# Altium PCB BaseBoard.PcbDoc (part 1 of 2)
Units mm, origin at the board's own origin, x right, y up, seen from the top; angles counter-clockwise.
Board outline 100 x 99.75 mm, 2 copper layers (Top Layer, Bottom Layer), stack 1.57 mm thick; 86 components, 105 nets, 319 pads, 782 vias.
Unrouted connection lines stored in the file: 3.
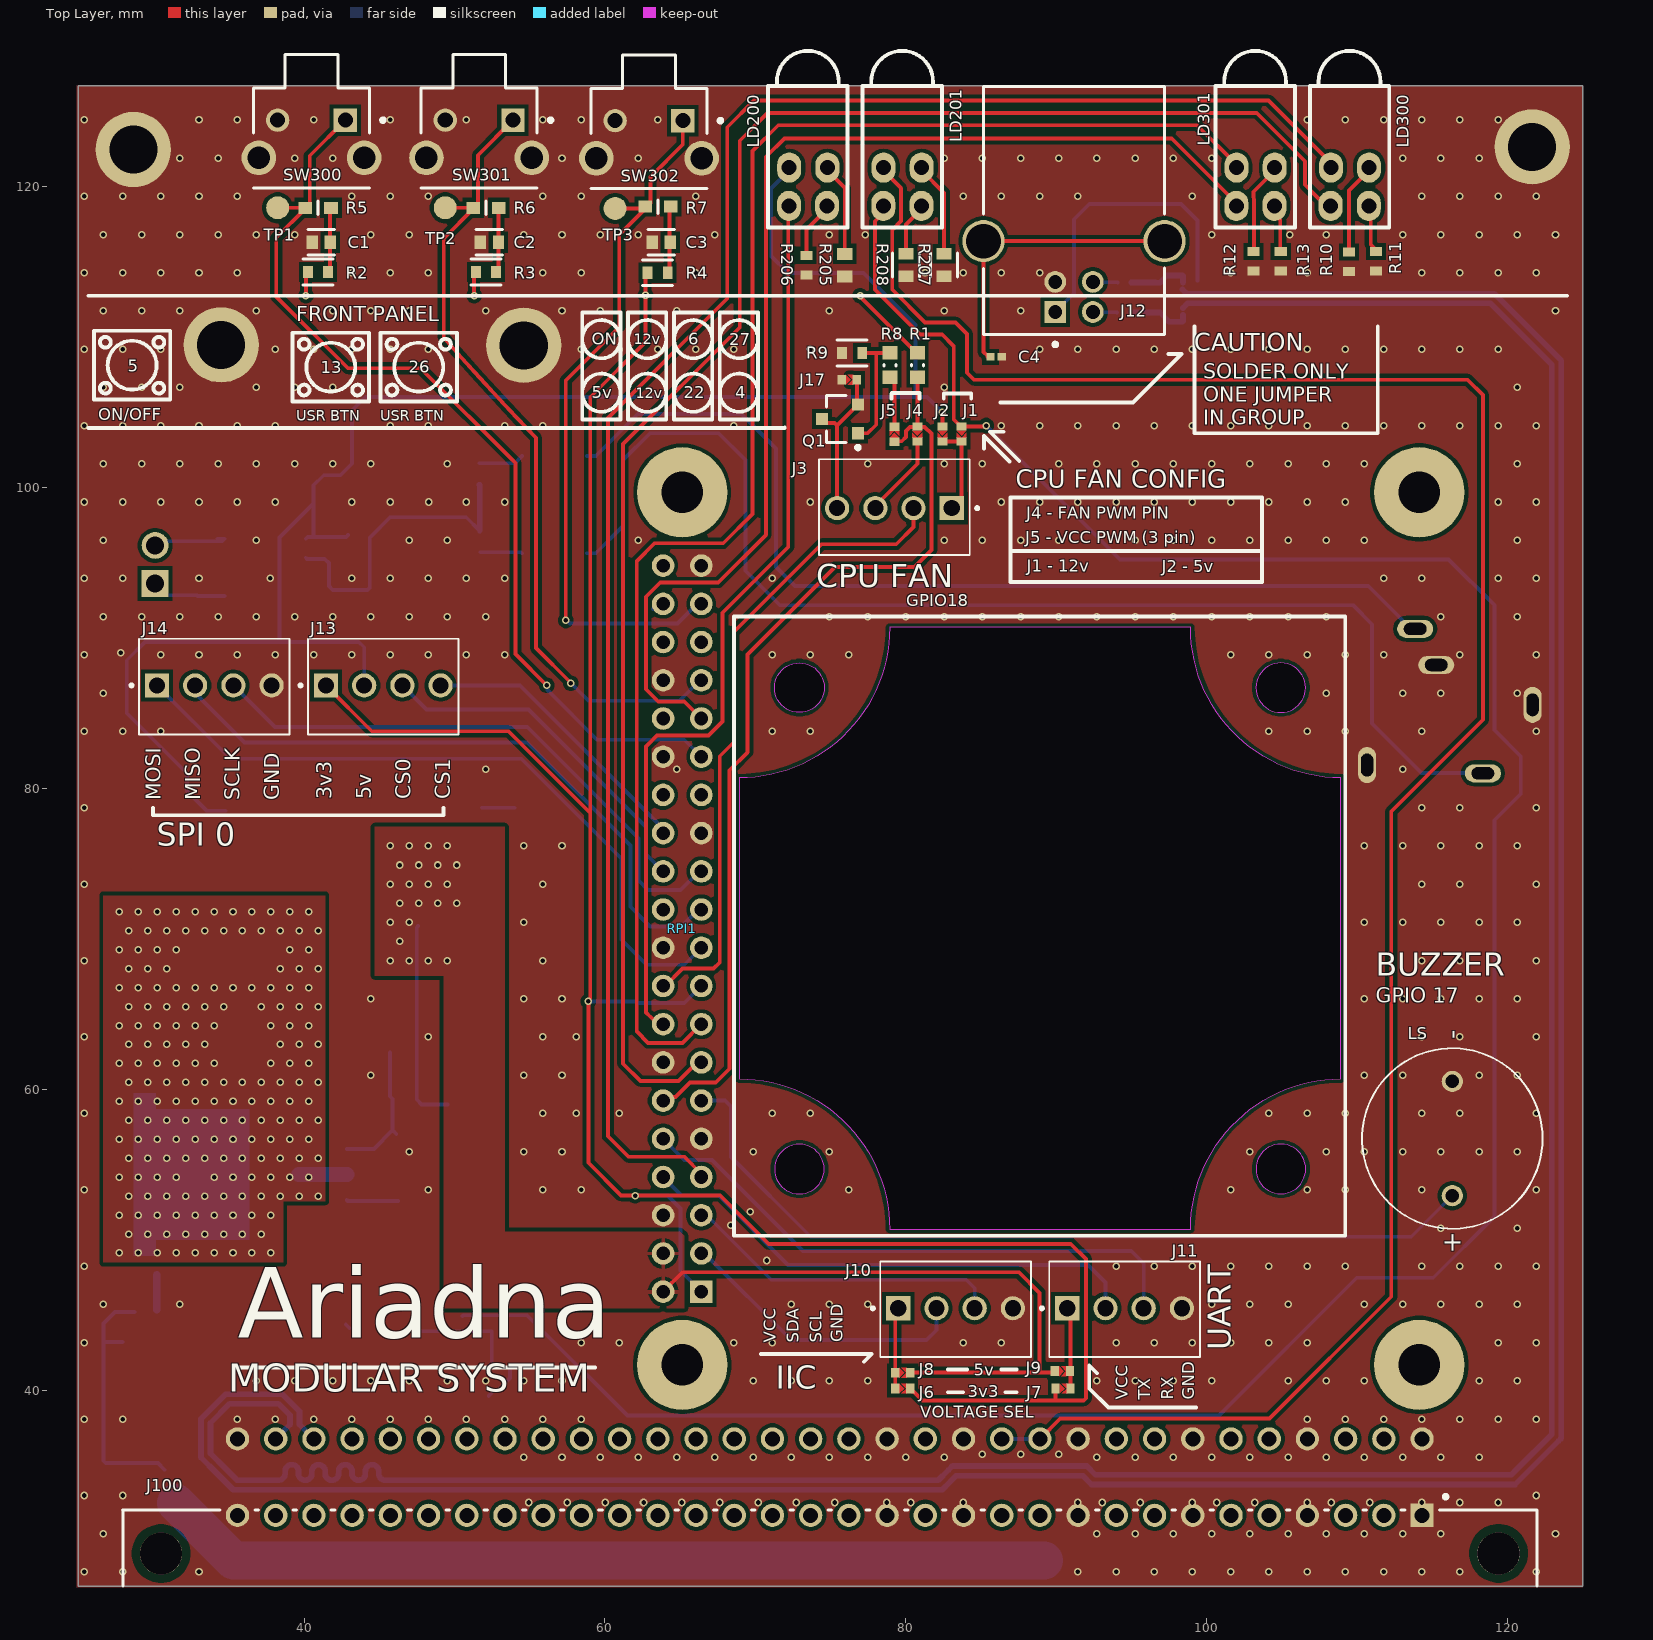
[diagram p0: Top Layer view]
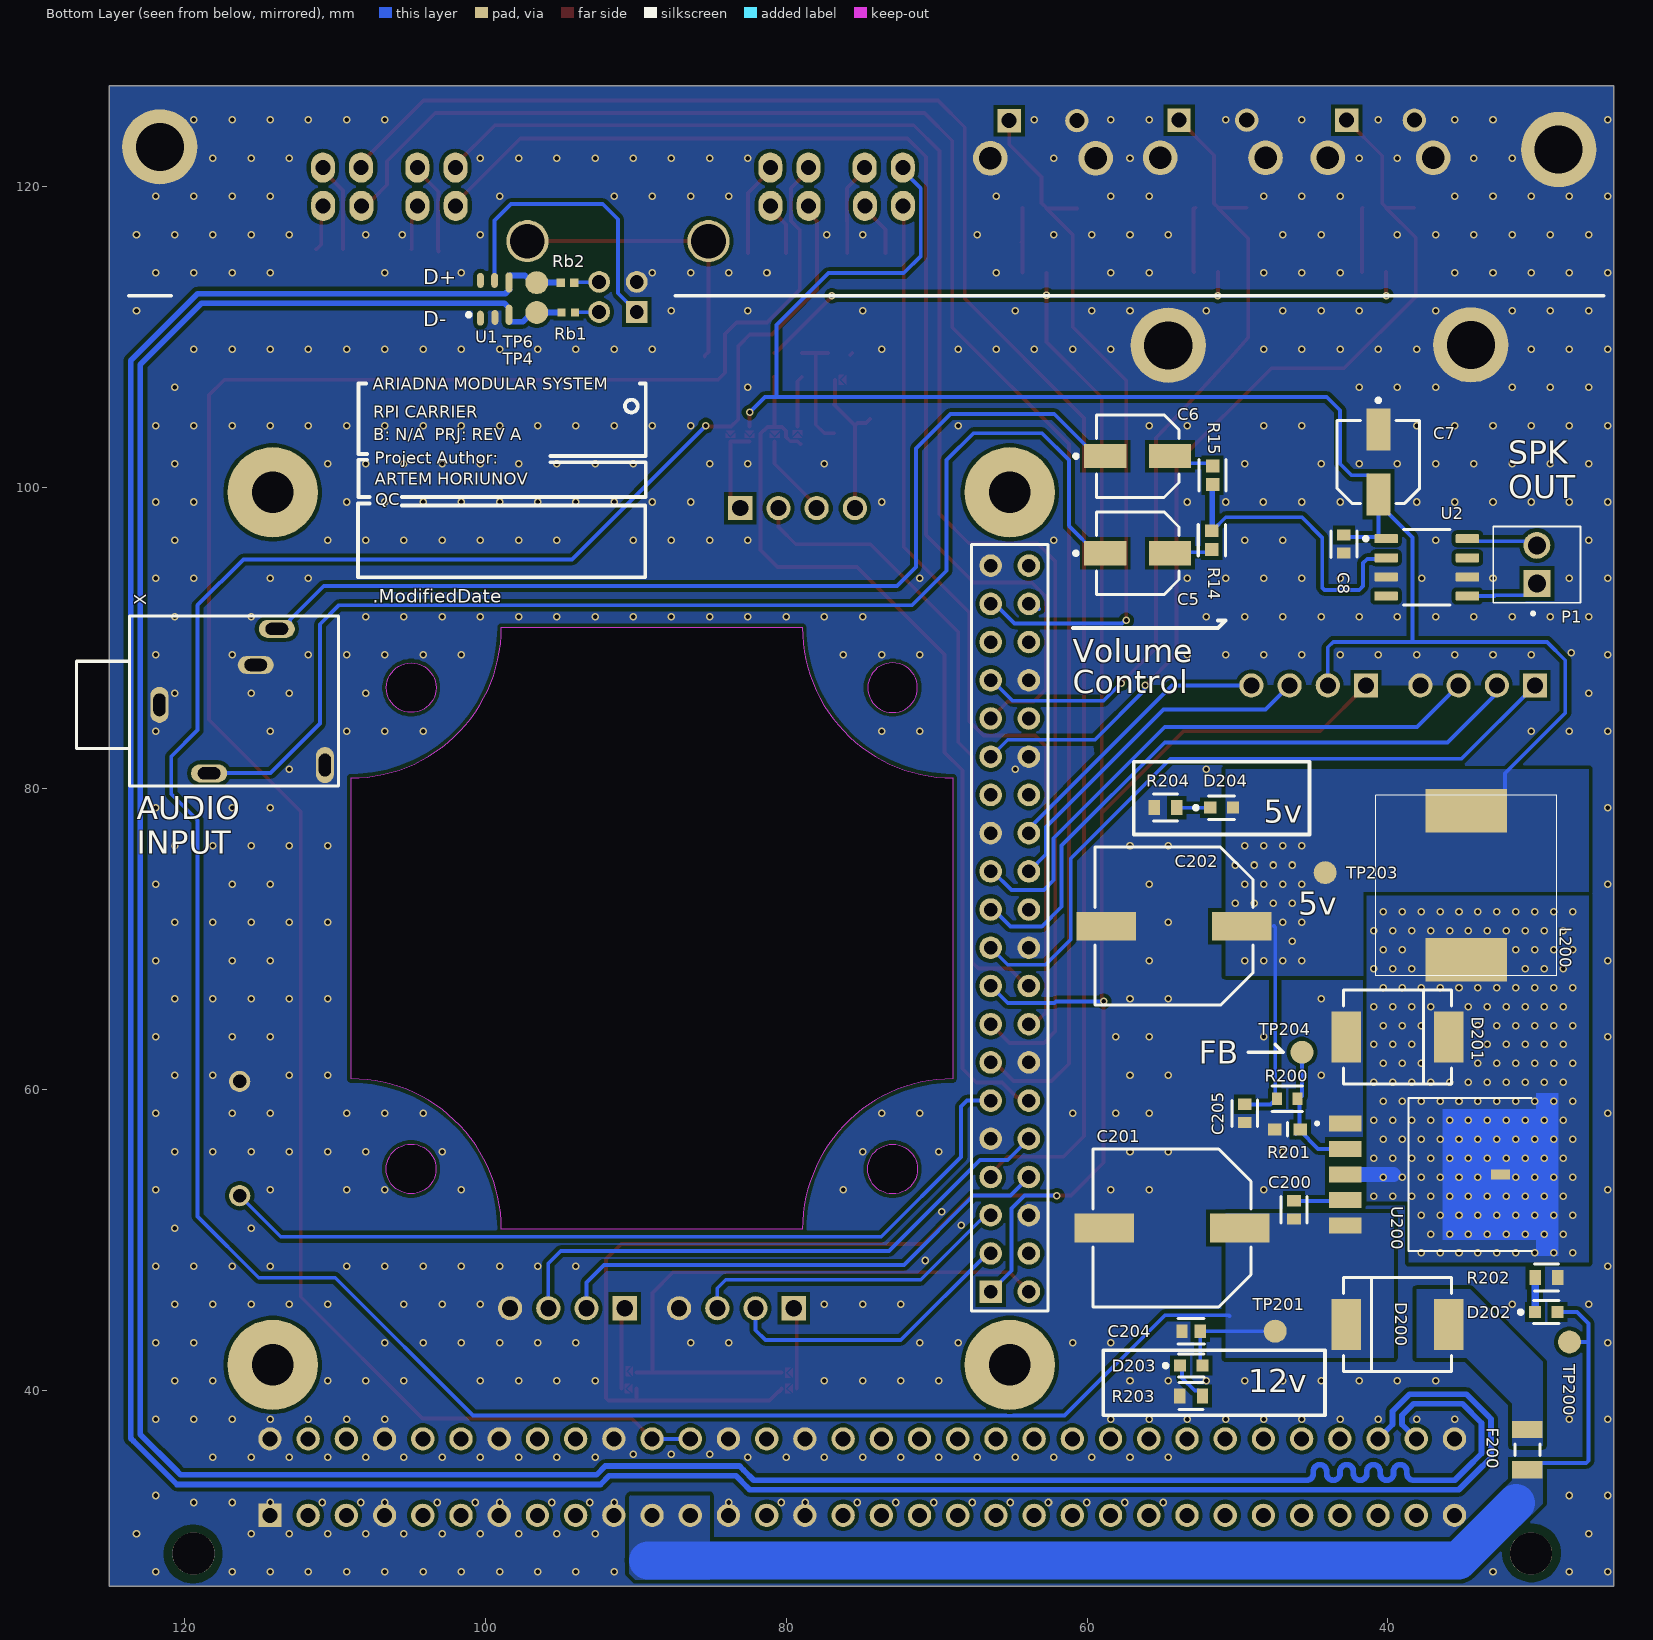
[diagram p1: Bottom Layer view, seen from below]

## Layer stack, top to bottom
Top Solder: solder mask 0.0127, Solder Resist, Dk 3.8
Top Layer: signal copper 0.035
Dielectric: core 1.5, FR-4, Dk 4.5
Bottom Layer: signal copper 0.035
Bottom Solder: solder mask 0.0127, Solder Resist, Dk 3.8

## Board outline
25,27 125,27 125,126.746 25,126.746
cut-out: 68.931,60.719 cw(c68.931,50.719) 78.931,50.719 98.931,50.719 cw(c108.931,50.719) 108.931,60.719 108.931,80.719 cw(c108.931,90.719) 98.931,90.719 78.931,90.719 cw(c68.931,90.719) 68.931,80.719
cut-out: 103.281,86.719 ccw(c104.931,86.719) 104.931,85.069 ccw(c104.931,86.719) 106.581,86.719 ccw(c104.931,86.719) 104.931,88.369 ccw(c104.931,86.719)
cut-out: 103.287,54.725 ccw(c104.937,54.725) 104.937,53.075 ccw(c104.937,54.725) 106.587,54.725 ccw(c104.937,54.725) 104.937,56.375 ccw(c104.937,54.725)
cut-out: 72.931,53.069 ccw(c72.931,54.719) 74.581,54.719 ccw(c72.931,54.719) 72.931,56.369 ccw(c72.931,54.719) 71.281,54.719 ccw(c72.931,54.719)
cut-out: 72.931,85.069 cw(c72.931,86.719) 71.281,86.719 cw(c72.931,86.719) 72.931,88.369 cw(c72.931,86.719) 74.581,86.719 cw(c72.931,86.719)

## Design rules (kind name [scope] priority, off if disabled: settings)
Clearance [All] p1: gap=0.254 ignorepadtopadclearanceinfootprint=TRUE except(0: Arc-Hole Track-Hole SMDPad-Hole THPad-Hole Via-Hole Fill-Hole Poly-Hole Region-Hole Text-Hole; 0.127: Arc-Arc Arc-Track Track-Track SMDPad-SMDPad; 0.2: Arc-SMDPad Track-SMDPad; 0.5: THPad-THPad)
DiffPairsRouting DiffPair_DiffPairsRouting [InDifferentialPair ('CARRIER_USB_OUT')] p1: maxlimit=0.254 minlimit=0.254 mostfreqgap=0.254 toplayer_minwidth=0.381 toplayer_maxwidth=0.381 toplayer_prefwidth=0.381 bottomlayer_minwidth=0.381 bottomlayer_maxwidth=0.381 bottomlayer_prefwidth=0.381 maxuncoupledlength=12.7
DiffPairsRouting USB [All] p2: maxlimit=0.127 minlimit=0.127 mostfreqgap=0.127 toplayer_minwidth=0.254 toplayer_maxwidth=0.254 toplayer_prefwidth=0.254 bottomlayer_minwidth=0.254 bottomlayer_maxwidth=0.254 bottomlayer_prefwidth=0.254 impedanceprofiledriven=TRUE impedanceprofileid={A3A20433-27DA-4A27-A633-E8CD176897E9} impedanceprofilevalue=90.000000 maxuncoupledlength=12.7
DiffPairsRouting can [All] p3: maxlimit=0.127 minlimit=0.127 mostfreqgap=0.127 toplayer_minwidth=0.123 toplayer_maxwidth=0.123 toplayer_prefwidth=0.123 bottomlayer_minwidth=0.123 bottomlayer_maxwidth=0.123 bottomlayer_prefwidth=0.123 impedanceprofiledriven=TRUE impedanceprofileid={72E4DA9E-D76B-4837-9838-5D01895E3687} impedanceprofilevalue=120.000000 maxuncoupledlength=12.7
HoleSize [All] p1: absolutevalues=TRUE maxlimit=6.3 minlimit=0.3 maxpercent=80.000 minpercent=20.000
MatchedLengths DiffPair_MatchedLengths [InDifferentialPair ('CARRIER_USB_OUT')] p1: tolerance=25.4 checknetsindiffpair=FALSE checkdiffpairvsdiffpair=TRUE checkxsignals=TRUE checkothers=TRUE
MinimumSolderMaskSliver [All] p1: minsoldermaskwidth=0.127
PolygonConnect 5v [InNet('+5') vs InNet('+5')] p1: connectstyle=Direct reliefconductorwidth=0.254 reliefentries=4 polygonreliefangle="90 Angle" airgapwidth=0.254
PolygonConnect 12v [InNet('12V_UNPROTECTED') vs InNet('12V_UNPROTECTED')] p2: connectstyle=Direct reliefconductorwidth=0.254 reliefentries=4 polygonreliefangle="90 Angle" airgapwidth=0.254
PolygonConnect GND_polygon [InNet('GND')] p3: connectstyle=Direct reliefconductorwidth=0.254 reliefentries=4 polygonreliefangle="90 Angle" airgapwidth=0.254
PolygonConnect "STM32-no releaf" [HasFootprint('STM-LQFP64_M')] p4: connectstyle=Direct reliefconductorwidth=0.254 reliefentries=4 polygonreliefangle="90 Angle" airgapwidth=0.254
PolygonConnect [All] p5: thpad.connectstyle=Relief thpad.reliefconductorwidth=0.254 thpad.reliefentries=4 thpad.polygonreliefangle="90 Angle" thpad.airgapwidth=0.254 smdpad.connectstyle=Direct smdpad.reliefconductorwidth=0.254 smdpad.reliefentries=4 smdpad.polygonreliefangle="90 Angle" smdpad.airgapwidth=0.254 via.connectstyle=Direct via.reliefconductorwidth=0.254 via.reliefentries=4 via.polygonreliefangle="90 Angle" via.airgapwidth=0.254
RoutingVias [All] p1: holewidth=0.3 width=0.5 viastyle="Through Hole" minholewidth=0.3 minwidth=0.5 maxholewidth=0.5 maxwidth=0.7
SilkToSilkClearance [All] p1: silktosilkclearance=0.001
SilkToSolderMaskClearance [IsPad] p1: minsilkscreentomaskgap=0.1 clearancetoexposedcopper=TRUE
SolderMaskExpansion SolderMaskExpansion_Vias [IsVia] p1: expansion=0.102 istentingtop=TRUE
SolderMaskExpansion [All] p2: expansion=0.102 istentingtop=FALSE
SupplyNets "Schematic Supply Nets_6" [InNet('+12')] p1: voltage=0.000
SupplyNets "Schematic Supply Nets_5" [InNet('3,3V')] p2: voltage=0.000
SupplyNets "Schematic Supply Nets_3" [InNet('24V_UNPROTECTED')] p3: voltage=0.000
SupplyNets "Schematic Supply Nets_2" [InNet('12V_UNPROTECTED')] p4: voltage=0.000
SupplyNets "Schematic Supply Nets_1" [InNet('5V')] p5: voltage=0.000
SupplyNets "Schematic Supply Nets" [InNet('GND')] p6: voltage=0.000
Width [All] p1: maxlimit=2.54 minlimit=0.254 preferedwidth=0.5 minimp=50.000000 maximp=50.000000 favimp=50.000000
25 further rules are at their usual default settings.

## Classes and differential pairs
differential pair class USB: CARRIER_USB_OUT UPin_IN
component class U_power: C1 C2 C3 C4 C5 C6 C7 C8 g J1 J2 J3 J4 J5 J6 J7 J8 J9 J10 J11 J12 J13 J14 J17 LD1 LD2 LD300 LD301 LS P1 Q1 R1 R2 R3 R4 R5 R6 R7 R8 R9 R10 R11 R12 R13 R14 R15 Rb1 Rb2 RPI1 SW300 SW301 SW302 TP1 TP2 TP3 TP4 TP6 U1 U2 X
component class main: J100
differential pair UPin_IN: +UPin_IN_P -UPin_IN_N
differential pair CARRIER_USB_OUT: +CARRIER_USB_OUT_P -CARRIER_USB_OUT_N
differential pair CAN3: +CAN3_P -CAN3_N
differential pair CAN2: +CAN2_P -CAN2_N
differential pair CAN1: +CAN1_P -CAN1_N

## Components (designator, comment, footprint, x,y, rotation, side; value= is the part's Value field where it differs from the comment)
C1 "100n" FP-C0603C-CF-MFG 41.148,116.332 r180 top value="0.10 μF"
C2 "100n" FP-C0603C-CF-MFG 52.324,116.332 r180 top value="0.10 μF"
C3 "100n" FP-C0603C-CF-MFG 63.754,116.332 r180 top value="0.10 μF"
C4 "Capacitor 10 pF +/- 0.25 pF 50 V 0402" CAPC1005X55X30LL05T10 86.014,108.712 r180 top value=10pF
C5 "10uF" FP-SC-MFG 56.642,95.654 r180 bottom
C6 "10uF" FP-SC-MFG 56.642,102.108 r180 bottom
C7 "10uF" FP-SC-MFG 40.64,101.72 r270 bottom
C8 "100n" FP-C0603C-CF-MFG 42.926,96.266 r270 bottom value="0.10 μF"
C200 "100n" FP-C0603C-CF-MFG 46.248,52.006 r90 bottom value="0.10 μF"
C201 "330uF 35v" PNSC-EEE-FK1V331P_L 54.356,50.8 r0 bottom
C202 "330uF 35v" PNSC-EEE-FK1V331P_L 54.227,70.866 r0 bottom
C204 "100n" FP-C0603C-CF-MFG 53.086,43.942 r0 bottom value="0.10 μF"
C205 "100n" FP-C0603C-CF-MFG 49.53,58.42 r270 bottom value="0.10 μF"
D200 "SS32" FP-403AG-MFG 39.37,44.39 r180 bottom
D201 "SS32" FP-403AG-MFG 39.37,63.5 r0 bottom
D202 "Green LED" FP-HSME-C191-MFG 29.488,45.212 r180 bottom
D203 "Green LED" FP-HSME-C191-MFG 53.086,41.656 r180 bottom
D204 "Green LED" FP-HSME-C191-MFG 51.066,78.74 r180 bottom
F200 "6A" FP-0466-MFG 30.734,36.068 r90 bottom
J1 "JUMPER" JUMPER 83.711,103.632 r180 top
J2 "JUMPER" JUMPER 82.441,103.632 r180 top
J3 "22232041" MOLEX_22232041 79.248,98.651 r180 top
J4 "JUMPER" JUMPER 80.772,103.632 r180 top
J5 "JUMPER" JUMPER 79.248,103.515 r0 top
J6 "JUMPER" JUMPER 79.756,40.132 r270 top
J7 "JUMPER" JUMPER 90.404,40.132 r270 top
J8 "JUMPER" JUMPER 79.756,41.186 r270 top
J9 "JUMPER" JUMPER 90.363,41.287 r270 top
J10 "22232041" MOLEX_22232041 83.312,45.466 r0 top
J11 "22232041" MOLEX_22232041 94.546,45.466 r0 top
J12 "A-USBSB" ASSM-A-USBSB-4_V 91.186,114.046 r180 top
J13 "22232041" MOLEX_22232041 45.27,86.868 r0 top
J14 "22232041" MOLEX_22232041 34.036,86.868 r0 top
J17 "JUMPER" JUMPER 76.2,107.188 r270 top
J100 "09 03 164 6921" FP-09_03_164_6921-MFG 74.95,25.56 r0 top
L200 "47uH 12mm" DE1207 34.798,73.581 r90 bottom
LD200 "" LED_HOLDER 79.743,121.503 r0 top
LD201 "" LED_HOLDER 73.471,121.503 r0 top
LD300 "" LED_HOLDER 109.48,121.503 r0 top
LD301 "" LED_HOLDER 103.208,121.503 r0 top
LS "CEM-1205C" CUI_CEM-1205C 116.332,56.748 r90 top
P1 "0022272021" MOLEX_0022272021 30.106,94.903 r270 bottom
Q1 "AO3400A" AO-SOT-23-3L_V 75.622,104.58 r180 top
R1 "100R" RESC0603(1608)_N 80.772,108.166 r90 top value="2000.00 Ohm"
R2 "10k" FP-RC0603-0_55-IPC_C 40.932,114.35 r180 top
R3 "10k" FP-RC0603-0_55-IPC_C 52.099,114.35 r0 top
R4 "10k" FP-RC0603-0_55-IPC_C 63.5,114.3 r180 top
R5 "100R" FP-RC0603-0_55-MFG 40.945,118.618 r180 top
R6 "100R" FP-RC0603-0_55-MFG 52.095,118.618 r180 top
R7 "100R" FP-RC0603-0_55-MFG 63.525,118.694 r180 top
R8 "1k" RESC0603(1608)_N 78.968,108.166 r270 top value="2000.00 Ohm"
R9 "10k" FP-RC0603-0_55-IPC_C 76.429,108.966 r0 top
R10 "470R" RESC1608X55X25LL10T15 109.474,115.037 r90 top
R11 "470R" RESC1608X55X25LL10T15 111.252,115.062 r90 top
R12 "470R" RESC1608X55X25LL10T15 103.124,115.062 r90 top
R13 "470R" RESC1608X55X25LL10T15 104.927,115.062 r90 top
R14 "1k" FP-ERA3A-IPC_C 51.713,96.52 r90 bottom
R15 "1k" FP-ERA3A-IPC_C 51.658,100.838 r270 bottom
R200 "10k" FP-RC0603-0_55-IPC_C 46.691,59.386 r0 bottom
R201 "3k3" FP-RC0603-0_55-MFG 46.691,57.354 r180 bottom
R202 "680R" FP-CRCW0603-e3-MFG 29.464,47.498 r0 bottom
R203 "680R" FP-CRCW0603-e3-MFG 53.086,39.624 r180 bottom
R204 "680R" FP-CRCW0603-e3-MFG 54.795,78.74 r180 bottom
R205 "220R" RESC1608X55X25ML10T15 75.946,114.808 r90 top
R206 "470R" RESC1608X55X25LL10T15 73.406,114.808 r90 top
R207 "680R" FP-CRCW0603-e3-MFG 82.55,114.808 r90 top
R208 "680R" FP-CRCW0603-e3-MFG 80.01,114.808 r90 top
Rb1 "Rbias" RESC1005X40X25NL05T05 94.487,111.659 r0 bottom
Rb2 "Rbias" RESC1005X40X25NL05T05 94.542,113.64 r0 bottom
RPI1 "RPI GPIO Connector" RPI 65.14,70.7 r270 top
SW300 "B3F-3122" FP-B3F-3122-MFG 40.5,124.367 r180 top
SW301 "B3F-3122" FP-B3F-3122-MFG 51.64,124.367 r180 top
SW302 "B3F-3122" FP-B3F-3122-MFG 62.93,124.334 r180 top
TP1 "TestPoint" TestPoint 38.25,118.618 r0 top
TP2 "TestPoint" TestPoint 49.39,118.618 r90 top
TP3 "TestPoint" TestPoint 60.68,118.575 r90 top
TP4 "D-" TestPoint 96.585,111.659 r90 bottom
TP6 "D+" TestPoint 96.585,113.64 r90 bottom
TP200 "12v in" TestPoint 27.94,43.219 r90 bottom
TP201 "12V" TestPoint 47.498,43.942 r90 bottom
TP203 "5v" TestPoint 44.177,74.422 r90 bottom
TP204 "FB" TestPoint 45.72,62.484 r90 bottom
U1 "IP4220CZ6,125" NXP-SOT457_L 99.378,112.581 r90 bottom
U2 "TDA7052AT/N2,118" FP-D0008A-MFG 37.422,94.716 r180 bottom
U200 "XL4015" CONV_XL4015 32.512,54.356 r180 bottom
X "1503_09" 1503_09 123.764,85.576 r90 bottom

## Footprints (in the part's own frame and the unit in brackets; to place one, negate y for a bottom-side part, rotate by r counter-clockwise, add the part's x,y. Pads: shape width x height; smd on the part's side, far side on the other; paste and mask are expansions set on the pad)
1503_09 [mm]
  oval 2.4x1.2 hole 0.8 slot 1.5 at 0 deg: 1(0,-2.1) 4(-4,-13.1)
  oval 1.2x2.4 hole 0.8 slot 1.5 at 90 deg: 2(-4.55,-5.4) 3(5.05,-9.9) 5(2.65,-8.5)
  silkscreen extent -5.4,-14 5.9,3.4
AO-SOT-23-3L_V [mm] "SOT23, 3-Leads, Body 3.1x1.8mm, Pitch 0.95mm"
  rect 0.8x0.8 smd: 1(-1.2,0.95) 2(-1.2,-0.95) 3(1.2,0)
  silkscreen extent -1.33,-1.55 0.9,2.02, body extent -1.5,-1.55 1.5,1.55, height 1.25
ASSM-A-USBSB-4_V [mm] "USB-B, 4-Leads, Body 16.5x12.04mm"
  rect 1.45x1.45 hole 0.92: 1(1.25,2.355)
  round 1.45 hole 0.92: 2(-1.25,2.355) 3(-1.25,0.355) 4(1.25,0.355)
  round 2.8 hole 2.3: 5(6.02,-2.355) 6(-6.02,-2.355)
  silkscreen extent -6.02,-12.63 6.02,4.64, body extent -6.02,-12.63 6.02,3.87, height 11.05
CAPC1005X55X30LL05T10 [mm] "Chip Capacitor, 2-Leads, Body 1.05x0.55mm, IPC High Density"
  rect 0.56x0.52 smd: 1(-0.38,0) 2(0.38,0)
  body extent -0.53,-0.28 0.53,0.28, height 0.55
CONV_XL4015 [mm]
  rect 2.16x1.07 smd: 1(-10.335,3.4) 2(-10.335,1.7) 3(-10.335,0) 4(-10.335,-1.7) 5(-10.335,-3.4)
  rect 1.27x0.635 smd paste-2 mask+0: 3.1(0,0)
  Top Layer region: 3.835,-5.4 2.365,-5.4 2.365,-4.35 -3.835,-4.35 -3.835,4.35 2.365,4.35 2.365,5.4 3.835,5.4
  silkscreen extent -12.3,-5.08 2.05,5.08
CUI_CEM-1205C [mm]
  round 1.408 hole 0.9: N(3.8,0) P(-3.8,0)
  silkscreen extent -6,-6 6,6
DE1207 [mm]
  rect 2.9x5.4 smd: 1(-4.95,0) 2(4.95,0)
  silkscreen extent -6,-6 6,6
FP-09_03_164_6921-MFG [mm]
  rect 1.55x1.55 hole 1 paste-2539.97 mask+0: A1(39.37,6.14)
  round 1.55 hole 1 paste-2539.97 mask+0: A2(36.83,6.14) A3(34.29,6.14) A4(31.75,6.14) A5(29.21,6.14) A6(26.67,6.14) A7(24.13,6.14) A8(21.59,6.14) A9(19.05,6.14) A10(16.51,6.14) A11(13.97,6.14) A12(11.43,6.14) A13(8.89,6.14) A14(6.35,6.14) A15(3.81,6.14) A16(1.27,6.14) A17(-1.27,6.14) A18(-3.81,6.14) A19(-6.35,6.14) A20(-8.89,6.14) A21(-11.43,6.14) A22(-13.97,6.14) A23(-16.51,6.14) A24(-19.05,6.14) A25(-21.59,6.14) A26(-24.13,6.14) A27(-26.67,6.14) A28(-29.21,6.14) A29(-31.75,6.14) A30(-34.29,6.14) A31(-36.83,6.14) A32(-39.37,6.14) C1(39.37,11.22) C2(36.83,11.22) C3(34.29,11.22) C4(31.75,11.22) C5(29.21,11.22) C6(26.67,11.22) C7(24.13,11.22) C8(21.59,11.22) C9(19.05,11.22) C10(16.51,11.22) C11(13.97,11.22) C12(11.43,11.22) C13(8.89,11.22) C14(6.35,11.22) C15(3.81,11.22) C16(1.27,11.22) C17(-1.27,11.22) C18(-3.81,11.22) C19(-6.35,11.22) C20(-8.89,11.22) C21(-11.43,11.22) C22(-13.97,11.22) C23(-16.51,11.22) C24(-19.05,11.22) C25(-21.59,11.22) C26(-24.13,11.22) C27(-26.67,11.22) C28(-29.21,11.22) C29(-31.75,11.22) C30(-34.29,11.22) C31(-36.83,11.22) C32(-39.37,11.22)
  round 2.8 hole 2.8 unplated paste-2539.97 mask+0: ""(-44.45,3.6) ""(44.45,3.6)
  silkscreen extent -47,1.45 47,7.5, body extent -47.1,-6.6 47.1,12.09, height 0.25
FP-403AG-MFG [mm]
  rect 1.96x3.39 smd paste+0 mask+0: 1(-3.405,0) 2(3.405,0)
  silkscreen extent -3.57,-3.13 3.57,3.13, body extent -3.98,-2.95 3.98,2.95, height 2.65
FP-0466-MFG [mil]
  rect 45x80 smd paste+0 mask+0: 1(-52.5,0) 2(52.5,0)
  silkscreen extent -15,-32 15,32, body extent -62,-30 63,30, height 26
FP-B3F-3122-MFG [mm]
  rect 1.55x1.55 hole 1 paste-2539.97 mask+0: 1(-2.25,-0.075)
  round 1.55 hole 1 paste-2539.97 mask+0: 2(2.25,-0.075)
  round 2.3 hole 1.5 paste-2539.97 mask+0: 3(-3.5,2.425) 4(3.5,2.425)
  silkscreen extent -4.88,-4.43 3.85,4.43, body extent -4.75,-4.52 4.75,4.52, height 0.25
FP-C0603C-CF-MFG [mm]
  rect 0.75x0.9 smd paste+0 mask+0: 1(-0.6,0) 2(0.6,0)
  silkscreen extent -0.87,-0.85 0.88,0.85, body extent -1.2,-0.6 1.2,0.6, height 0.25
FP-CRCW0603-e3-MFG [mm]
  rect 0.75x1 smd paste+0 mask+0: 1(-0.75,0) 2(0.75,0)
  silkscreen extent -0.8,-0.9 0.8,0.9, body extent -0.77,-0.43 0.77,0.43, height 0.5
FP-D0008A-MFG [mm]
  rrect17% 1.55x0.6 smd paste+0 mask+0: 1(-2.7,1.905) 2(-2.7,0.635) 3(-2.7,-0.635) 4(-2.7,-1.905) 5(2.7,-1.905) 6(2.7,-0.635) 7(2.7,0.635) 8(2.7,1.905)
  silkscreen extent -4.18,-2.5 1.55,2.5, body extent -3.01,-2.45 3.01,2.45, height 1.75
FP-ERA3A-IPC_C [mm]
  rect 0.855x0.906 smd paste+0 mask+0: 1(-0.626,0) 2(0.626,0)
  silkscreen extent -1.05,-0.9 1.05,0.9, body extent -0.8,-0.4 0.8,0.4, height 0.55
FP-HSME-C191-MFG [mm]
  rect 0.8x0.8 smd paste+0 mask+0: 1(-0.75,0) 2(0.75,0)
  silkscreen extent -1.83,-0.77 0.85,0.77, body extent -0.8,-0.4 0.8,0.4, height 0.7
FP-RC0603-0_55-IPC_C [mm]
  rect 0.659x0.812 smd paste+0 mask+0: 1(-0.677,0) 2(0.677,0)
  silkscreen extent -1.01,-0.85 1.01,0.85, body extent -1.11,-0.55 1.11,0.55, height 0.25
FP-RC0603-0_55-MFG [mm]
  rect 0.9x0.8 smd paste+0 mask+0: 1(-0.85,0) 2(0.85,0)
  silkscreen extent 0,-0.45 0,0.45, body extent -1.4,-0.55 1.4,0.55, height 0.25
FP-SC-MFG [mm]
  rect 2.8x1.6 smd paste+0 mask+0: 1(-2.15,0) 2(2.15,0)
  silkscreen extent -4.23,-2.75 2.75,2.75, body extent -3,-2.65 3,2.65, height 5.8